# KiCad board px16_regfile.kicad_pcb
title: Pixie 16 register file; date: 2022-09-07; rev: 1
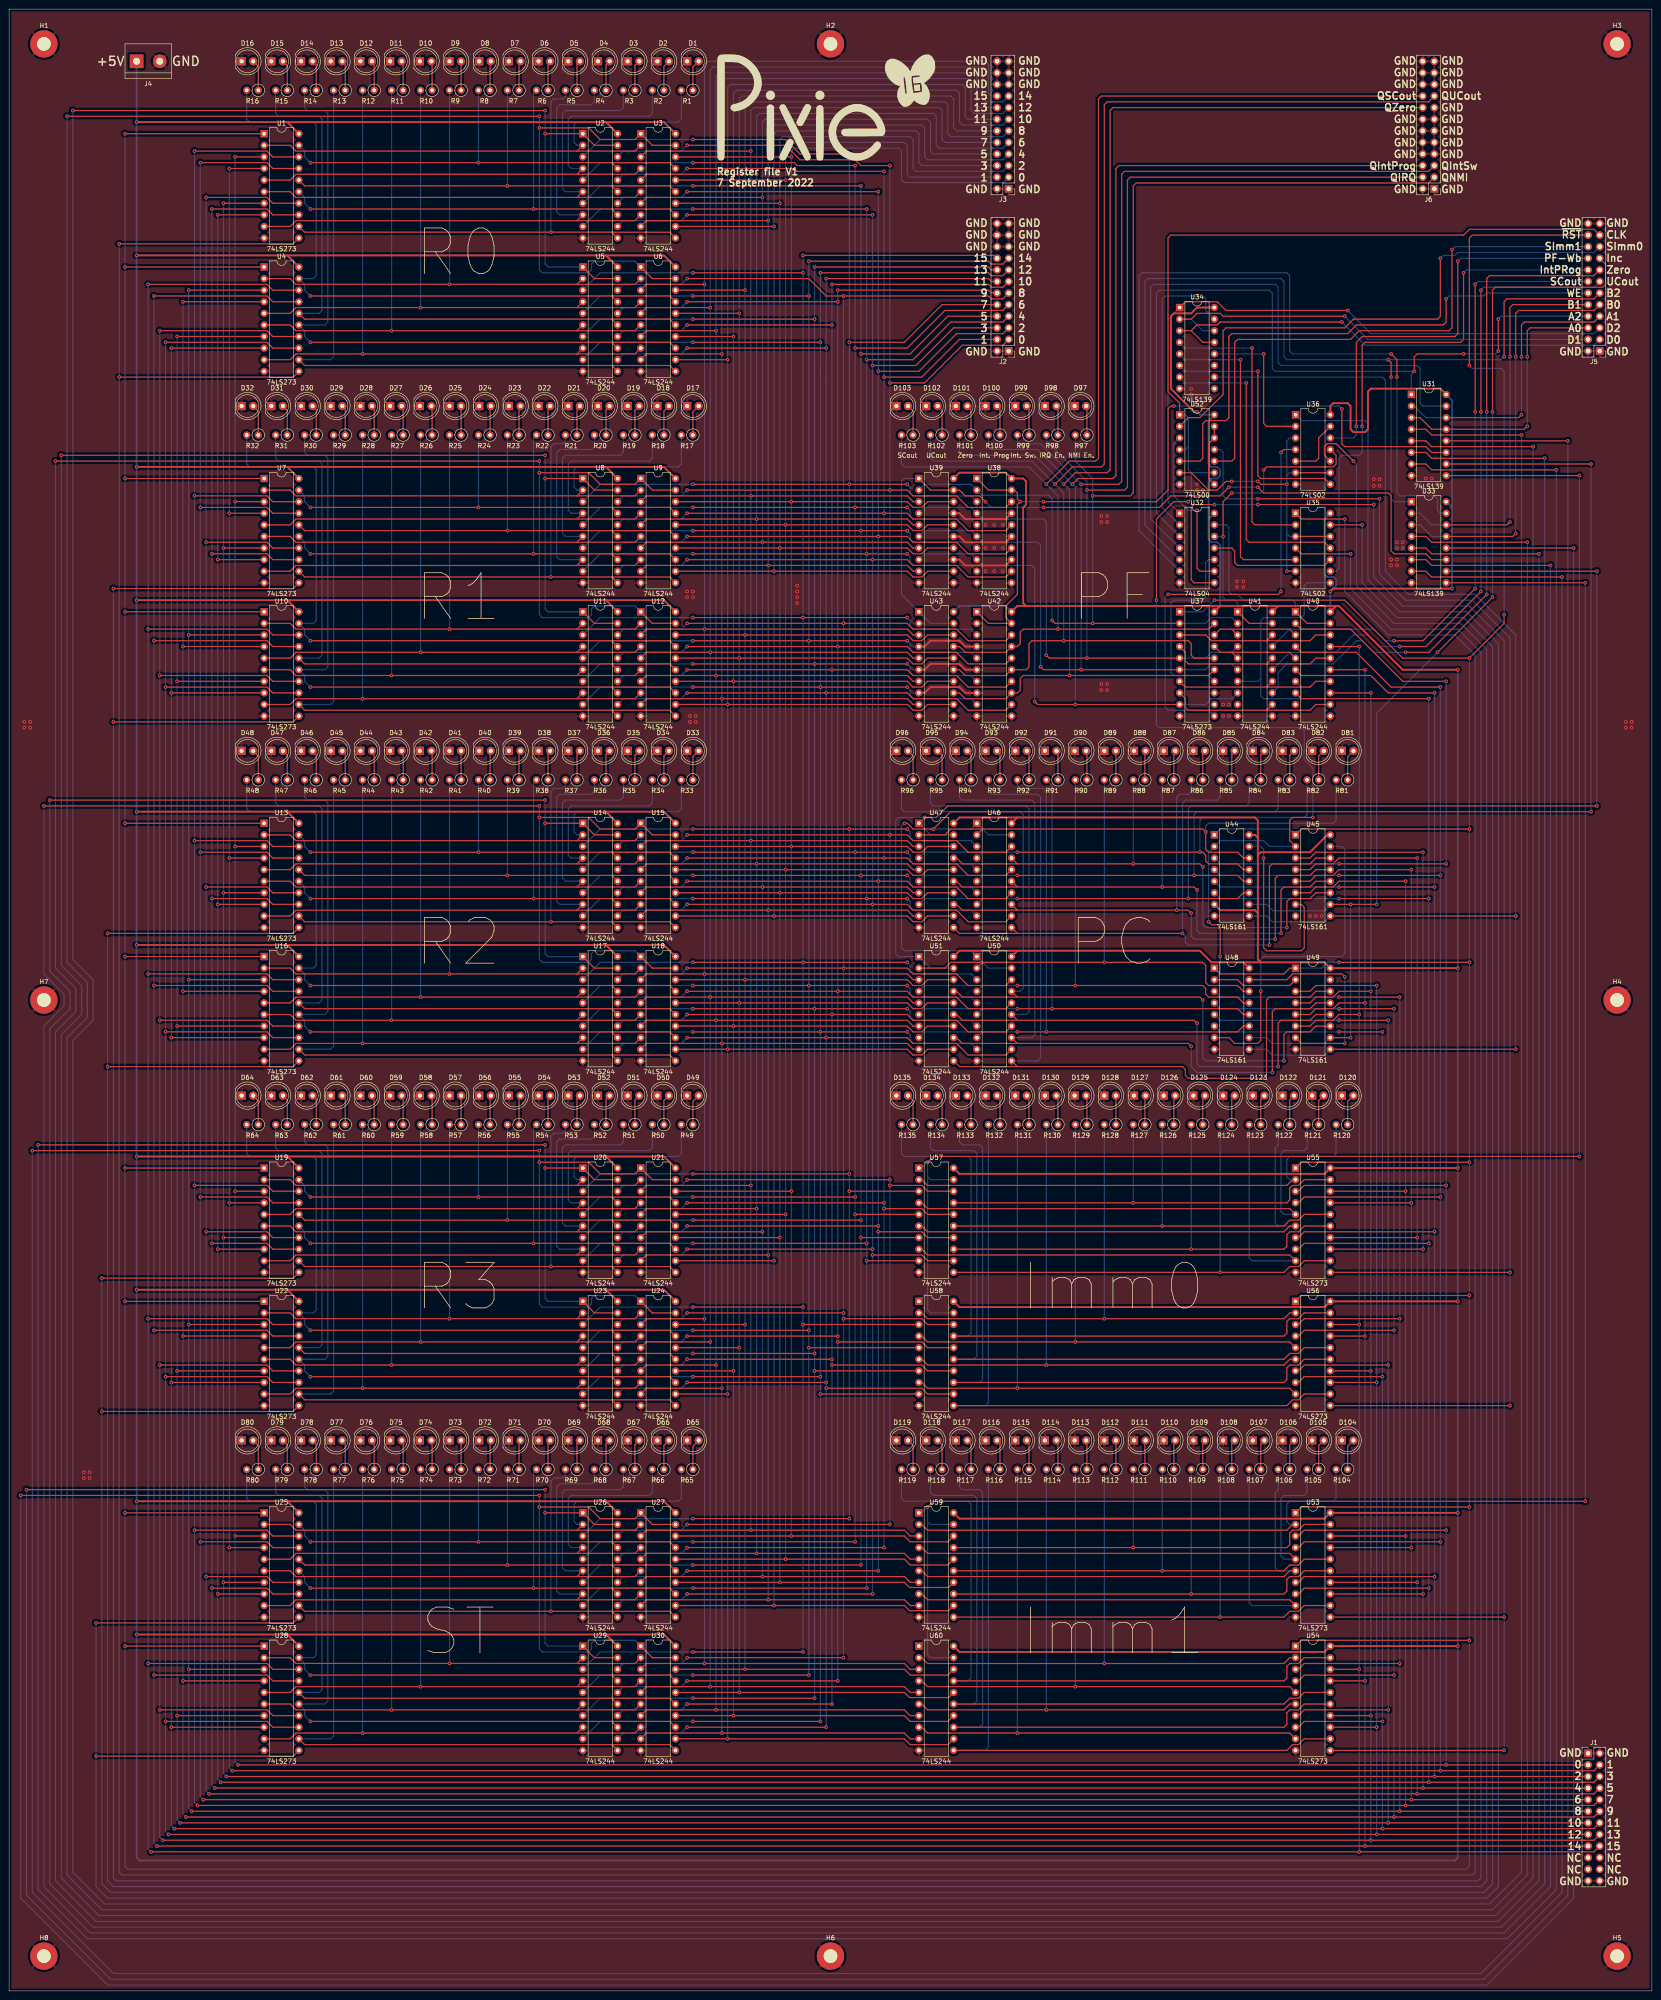
[diagram p0: board, top side]
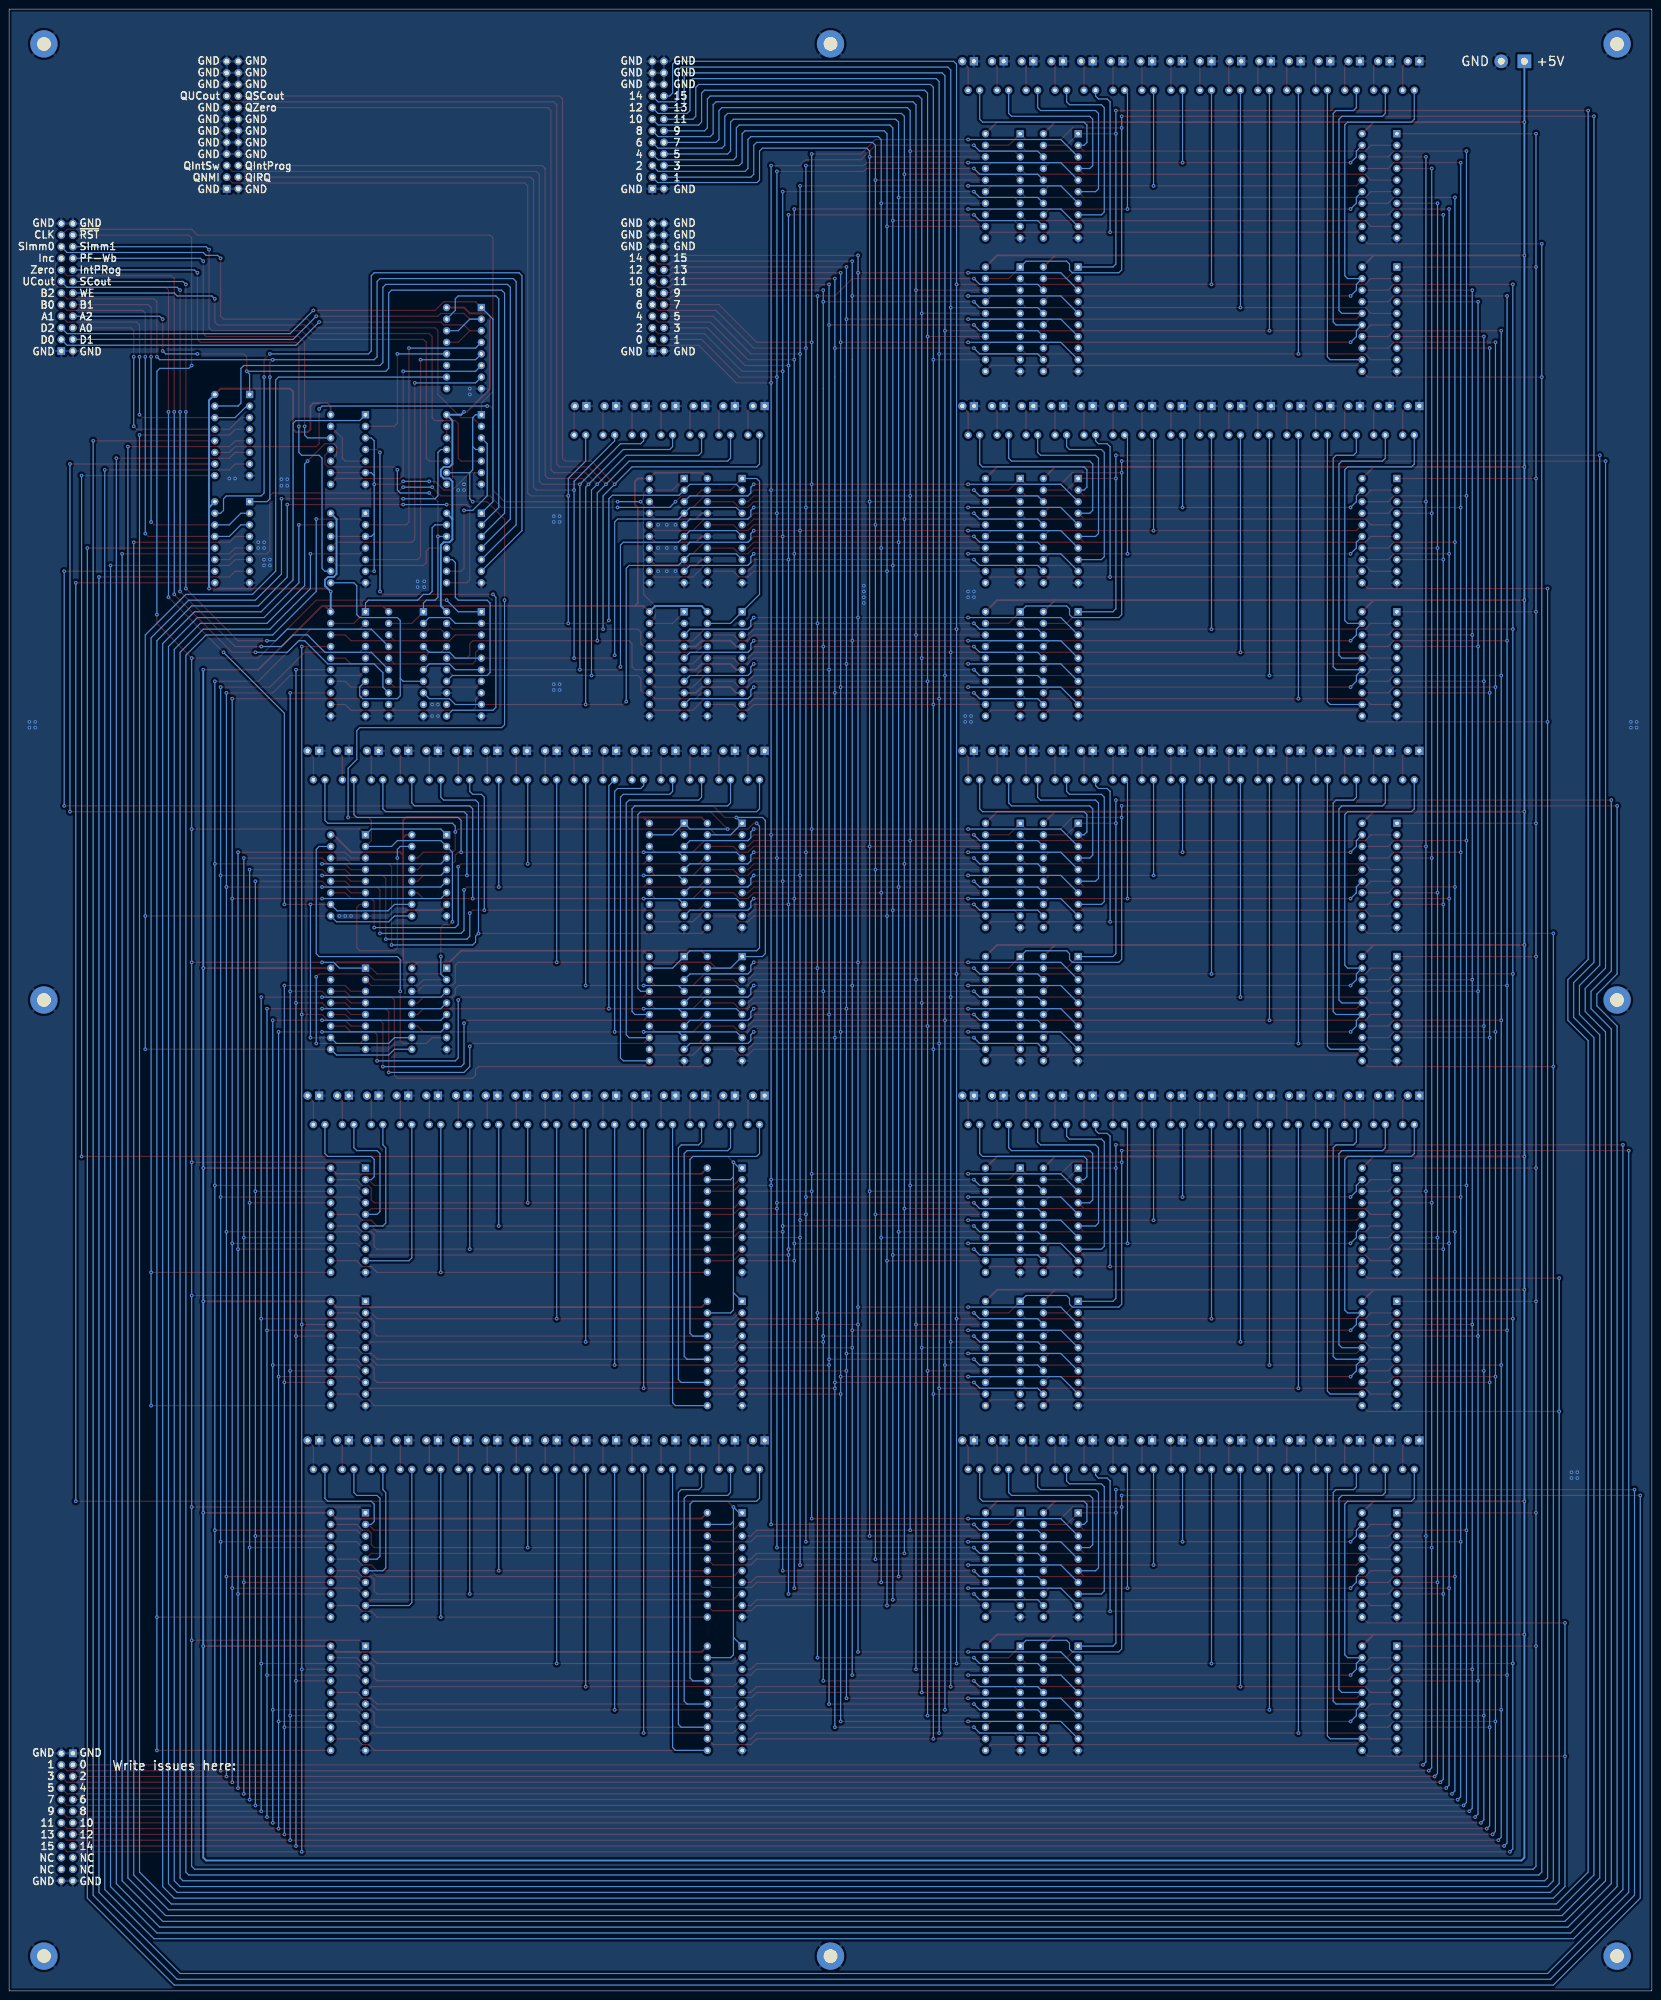
[diagram p1: board, bottom side, seen from below]

Outline 360.04 x 434.34 mm; copper layers: Top, Bottom. Coordinates in mm from the lower left corner of the outline.
Outline path: rectangle 0,434.34 360.04,0
Stack: Top 0.035mm / dielectric 1.51mm FR4 er 4.5 / Bottom 0.035mm

## Placement (name value [footprint] x y rotation side)
D1  LED  [LED_D5.0mm]  148.59 422.91 0 top
D2  LED  [LED_D5.0mm]  142.08 422.91 0 top
D3  LED  [LED_D5.0mm]  135.57 422.91 0 top
D4  LED  [LED_D5.0mm]  129.06 422.91 0 top
D5  LED  [LED_D5.0mm]  122.55 422.91 0 top
D6  LED  [LED_D5.0mm]  116.05 422.91 0 top
D7  LED  [LED_D5.0mm]  109.54 422.91 0 top
D8  LED  [LED_D5.0mm]  103.03 422.91 0 top
D9  LED  [LED_D5.0mm]  96.52 422.91 0 top
D10  LED  [LED_D5.0mm]  90.01 422.91 0 top
D11  LED  [LED_D5.0mm]  83.5 422.91 0 top
D12  LED  [LED_D5.0mm]  76.99 422.91 0 top
D13  LED  [LED_D5.0mm]  70.48 422.91 0 top
D14  LED  [LED_D5.0mm]  63.98 422.91 0 top
D15  LED  [LED_D5.0mm]  57.47 422.91 0 top
D16  LED  [LED_D5.0mm]  50.96 422.91 0 top
D17  LED  [LED_D5.0mm]  148.59 347.34 0 top
D18  LED  [LED_D5.0mm]  142.08 347.34 0 top
D19  LED  [LED_D5.0mm]  135.57 347.34 0 top
D20  LED  [LED_D5.0mm]  129.06 347.34 0 top
D21  LED  [LED_D5.0mm]  122.55 347.34 0 top
D22  LED  [LED_D5.0mm]  116.05 347.34 0 top
D23  LED  [LED_D5.0mm]  109.54 347.34 0 top
D24  LED  [LED_D5.0mm]  103.03 347.34 0 top
D25  LED  [LED_D5.0mm]  96.52 347.34 0 top
D26  LED  [LED_D5.0mm]  90.01 347.34 0 top
D27  LED  [LED_D5.0mm]  83.5 347.34 0 top
D28  LED  [LED_D5.0mm]  76.99 347.34 0 top
D29  LED  [LED_D5.0mm]  70.48 347.34 0 top
D30  LED  [LED_D5.0mm]  63.98 347.34 0 top
D31  LED  [LED_D5.0mm]  57.47 347.34 0 top
D32  LED  [LED_D5.0mm]  50.96 347.34 0 top
D33  LED  [LED_D5.0mm]  148.59 271.78 0 top
D34  LED  [LED_D5.0mm]  142.08 271.78 0 top
D35  LED  [LED_D5.0mm]  135.57 271.78 0 top
D36  LED  [LED_D5.0mm]  129.06 271.78 0 top
D37  LED  [LED_D5.0mm]  122.55 271.78 0 top
D38  LED  [LED_D5.0mm]  116.05 271.78 0 top
D39  LED  [LED_D5.0mm]  109.54 271.78 0 top
D40  LED  [LED_D5.0mm]  103.02 271.78 0 top
D41  LED  [LED_D5.0mm]  96.51 271.78 0 top
D42  LED  [LED_D5.0mm]  90.01 271.78 0 top
D43  LED  [LED_D5.0mm]  83.5 271.78 0 top
D44  LED  [LED_D5.0mm]  76.99 271.78 0 top
D45  LED  [LED_D5.0mm]  70.48 271.78 0 top
D46  LED  [LED_D5.0mm]  63.98 271.78 0 top
D47  LED  [LED_D5.0mm]  57.47 271.78 0 top
D48  LED  [LED_D5.0mm]  50.96 271.78 0 top
D49  LED  [LED_D5.0mm]  148.58 196.21 0 top
D50  LED  [LED_D5.0mm]  142.08 196.21 0 top
D51  LED  [LED_D5.0mm]  135.57 196.21 0 top
D52  LED  [LED_D5.0mm]  129.06 196.21 0 top
D53  LED  [LED_D5.0mm]  122.55 196.21 0 top
D54  LED  [LED_D5.0mm]  116.05 196.21 0 top
D55  LED  [LED_D5.0mm]  109.54 196.21 0 top
D56  LED  [LED_D5.0mm]  103.03 196.21 0 top
D57  LED  [LED_D5.0mm]  96.52 196.21 0 top
D58  LED  [LED_D5.0mm]  90.01 196.21 0 top
D59  LED  [LED_D5.0mm]  83.5 196.21 0 top
D60  LED  [LED_D5.0mm]  76.99 196.21 0 top
D61  LED  [LED_D5.0mm]  70.48 196.21 0 top
D62  LED  [LED_D5.0mm]  63.98 196.21 0 top
D63  LED  [LED_D5.0mm]  57.47 196.21 0 top
D64  LED  [LED_D5.0mm]  50.96 196.21 0 top
D65  LED  [LED_D5.0mm]  148.59 120.65 0 top
D66  LED  [LED_D5.0mm]  142.08 120.65 0 top
D67  LED  [LED_D5.0mm]  135.57 120.65 0 top
D68  LED  [LED_D5.0mm]  129.06 120.65 0 top
D69  LED  [LED_D5.0mm]  122.55 120.65 0 top
D70  LED  [LED_D5.0mm]  116.05 120.65 0 top
D71  LED  [LED_D5.0mm]  109.54 120.65 0 top
D72  LED  [LED_D5.0mm]  103.03 120.65 0 top
D73  LED  [LED_D5.0mm]  96.52 120.65 0 top
D74  LED  [LED_D5.0mm]  90.01 120.65 0 top
D75  LED  [LED_D5.0mm]  83.5 120.65 0 top
D76  LED  [LED_D5.0mm]  76.99 120.65 0 top
D77  LED  [LED_D5.0mm]  70.48 120.65 0 top
D78  LED  [LED_D5.0mm]  63.98 120.65 0 top
D79  LED  [LED_D5.0mm]  57.47 120.65 0 top
D80  LED  [LED_D5.0mm]  50.96 120.65 0 top
D81  LED  [LED_D5.0mm]  292.1 271.78 0 top
D82  LED  [LED_D5.0mm]  285.59 271.78 0 top
D83  LED  [LED_D5.0mm]  279.08 271.78 0 top
D84  LED  [LED_D5.0mm]  272.57 271.78 0 top
D85  LED  [LED_D5.0mm]  266.06 271.78 0 top
D86  LED  [LED_D5.0mm]  259.56 271.78 0 top
D87  LED  [LED_D5.0mm]  253.05 271.78 0 top
D88  LED  [LED_D5.0mm]  246.54 271.78 0 top
D89  LED  [LED_D5.0mm]  240.03 271.78 0 top
D90  LED  [LED_D5.0mm]  233.52 271.78 0 top
D91  LED  [LED_D5.0mm]  227.01 271.78 0 top
D92  LED  [LED_D5.0mm]  220.5 271.78 0 top
D93  LED  [LED_D5.0mm]  214 271.78 0 top
D94  LED  [LED_D5.0mm]  207.49 271.78 0 top
D95  LED  [LED_D5.0mm]  200.98 271.78 0 top
D96  LED  [LED_D5.0mm]  194.47 271.78 0 top
D97  LED  [LED_D5.0mm]  233.52 347.34 0 top
D98  LED  [LED_D5.0mm]  227.01 347.34 0 top
D99  LED  [LED_D5.0mm]  220.5 347.34 0 top
D100  LED  [LED_D5.0mm]  214 347.34 0 top
D101  LED  [LED_D5.0mm]  207.49 347.34 0 top
D102  LED  [LED_D5.0mm]  200.98 347.34 0 top
D103  LED  [LED_D5.0mm]  194.47 347.34 0 top
D104  LED  [LED_D5.0mm]  292.1 120.65 0 top
D105  LED  [LED_D5.0mm]  285.59 120.65 0 top
D106  LED  [LED_D5.0mm]  279.08 120.65 0 top
D107  LED  [LED_D5.0mm]  272.57 120.65 0 top
D108  LED  [LED_D5.0mm]  266.06 120.65 0 top
D109  LED  [LED_D5.0mm]  259.56 120.65 0 top
D110  LED  [LED_D5.0mm]  253.05 120.65 0 top
D111  LED  [LED_D5.0mm]  246.54 120.65 0 top
D112  LED  [LED_D5.0mm]  240.03 120.65 0 top
D113  LED  [LED_D5.0mm]  233.52 120.65 0 top
D114  LED  [LED_D5.0mm]  227.01 120.65 0 top
D115  LED  [LED_D5.0mm]  220.5 120.65 0 top
D116  LED  [LED_D5.0mm]  214 120.65 0 top
D117  LED  [LED_D5.0mm]  207.49 120.65 0 top
D118  LED  [LED_D5.0mm]  200.98 120.65 0 top
D119  LED  [LED_D5.0mm]  194.47 120.65 0 top
D120  LED  [LED_D5.0mm]  292.1 196.21 0 top
D121  LED  [LED_D5.0mm]  285.59 196.21 0 top
D122  LED  [LED_D5.0mm]  279.08 196.21 0 top
D123  LED  [LED_D5.0mm]  272.57 196.21 0 top
D124  LED  [LED_D5.0mm]  266.06 196.21 0 top
D125  LED  [LED_D5.0mm]  259.56 196.21 0 top
D126  LED  [LED_D5.0mm]  253.05 196.21 0 top
D127  LED  [LED_D5.0mm]  246.54 196.21 0 top
D128  LED  [LED_D5.0mm]  240.03 196.21 0 top
D129  LED  [LED_D5.0mm]  233.52 196.21 0 top
D130  LED  [LED_D5.0mm]  227.01 196.21 0 top
D131  LED  [LED_D5.0mm]  220.5 196.21 0 top
D132  LED  [LED_D5.0mm]  214 196.21 0 top
D133  LED  [LED_D5.0mm]  207.49 196.21 0 top
D134  LED  [LED_D5.0mm]  200.98 196.21 0 top
D135  LED  [LED_D5.0mm]  194.47 196.21 0 top
G1  -  [LOGO]  180.4 412.74 0 top
H1  MountingHole_Pad  [MountingHole_3mm_Pad]  7.62 426.72 0 top
H2  MountingHole_Pad  [MountingHole_3mm_Pad]  180.02 426.72 0 top
H3  MountingHole_Pad  [MountingHole_3mm_Pad]  352.43 426.72 0 top
H4  MountingHole_Pad  [MountingHole_3mm_Pad]  352.43 217.17 0 top
H5  MountingHole_Pad  [MountingHole_3mm_Pad]  352.43 7.62 0 top
H6  MountingHole_Pad  [MountingHole_3mm_Pad]  180.02 7.62 0 top
H7  MountingHole_Pad  [MountingHole_3mm_Pad]  7.62 217.17 0 top
H8  MountingHole_Pad  [MountingHole_3mm_Pad]  7.62 7.62 0 top
J1  Conn_02x12_Odd_Even  [PinHeader_2x12_P2.54mm_Vertical]  346.07 52.07 0 top
J2  Conn_02x12_Odd_Even  [PinHeader_2x12_P2.54mm_Vertical]  219.07 359.41 180 top
J3  Conn_02x12_Odd_Even  [PinHeader_2x12_P2.54mm_Vertical]  219.07 394.97 180 top
J4  Screw_Terminal_01x02  [TerminalBlock_bornier-2_P5.08mm]  27.94 422.91 0 top
J5  Conn_02x12_Odd_Even  [PinHeader_2x12_P2.54mm_Vertical]  348.62 359.41 180 top
J6  Conn_02x12_Odd_Even  [PinHeader_2x12_P2.54mm_Vertical]  312.36 394.97 180 top
R1  R  [R_Axial_DIN0207_L6.3mm_D2.5mm_P2.54mm_Vertical]  149.86 416.56 180 top
R2  R  [R_Axial_DIN0207_L6.3mm_D2.5mm_P2.54mm_Vertical]  143.51 416.56 180 top
R3  R  [R_Axial_DIN0207_L6.3mm_D2.5mm_P2.54mm_Vertical]  137.16 416.56 180 top
R4  R  [R_Axial_DIN0207_L6.3mm_D2.5mm_P2.54mm_Vertical]  130.81 416.56 180 top
R5  R  [R_Axial_DIN0207_L6.3mm_D2.5mm_P2.54mm_Vertical]  124.46 416.56 180 top
R6  R  [R_Axial_DIN0207_L6.3mm_D2.5mm_P2.54mm_Vertical]  118.11 416.56 180 top
R7  R  [R_Axial_DIN0207_L6.3mm_D2.5mm_P2.54mm_Vertical]  111.76 416.56 180 top
R8  R  [R_Axial_DIN0207_L6.3mm_D2.5mm_P2.54mm_Vertical]  105.41 416.56 180 top
R9  R  [R_Axial_DIN0207_L6.3mm_D2.5mm_P2.54mm_Vertical]  99.06 416.56 180 top
R10  R  [R_Axial_DIN0207_L6.3mm_D2.5mm_P2.54mm_Vertical]  92.71 416.56 180 top
R11  R  [R_Axial_DIN0207_L6.3mm_D2.5mm_P2.54mm_Vertical]  86.36 416.56 180 top
R12  R  [R_Axial_DIN0207_L6.3mm_D2.5mm_P2.54mm_Vertical]  80.01 416.56 180 top
R13  R  [R_Axial_DIN0207_L6.3mm_D2.5mm_P2.54mm_Vertical]  73.66 416.56 180 top
R14  R  [R_Axial_DIN0207_L6.3mm_D2.5mm_P2.54mm_Vertical]  67.31 416.56 180 top
R15  R  [R_Axial_DIN0207_L6.3mm_D2.5mm_P2.54mm_Vertical]  60.96 416.56 180 top
R16  R  [R_Axial_DIN0207_L6.3mm_D2.5mm_P2.54mm_Vertical]  54.61 416.56 180 top
R17  R  [R_Axial_DIN0207_L6.3mm_D2.5mm_P2.54mm_Vertical]  149.86 341 180 top
R18  R  [R_Axial_DIN0207_L6.3mm_D2.5mm_P2.54mm_Vertical]  143.51 341 180 top
R19  R  [R_Axial_DIN0207_L6.3mm_D2.5mm_P2.54mm_Vertical]  137.16 341 180 top
R20  R  [R_Axial_DIN0207_L6.3mm_D2.5mm_P2.54mm_Vertical]  130.81 341 180 top
R21  R  [R_Axial_DIN0207_L6.3mm_D2.5mm_P2.54mm_Vertical]  124.46 341 180 top
R22  R  [R_Axial_DIN0207_L6.3mm_D2.5mm_P2.54mm_Vertical]  118.11 341 180 top
R23  R  [R_Axial_DIN0207_L6.3mm_D2.5mm_P2.54mm_Vertical]  111.76 341 180 top
R24  R  [R_Axial_DIN0207_L6.3mm_D2.5mm_P2.54mm_Vertical]  105.41 341 180 top
R25  R  [R_Axial_DIN0207_L6.3mm_D2.5mm_P2.54mm_Vertical]  99.06 341 180 top
R26  R  [R_Axial_DIN0207_L6.3mm_D2.5mm_P2.54mm_Vertical]  92.71 341 180 top
R27  R  [R_Axial_DIN0207_L6.3mm_D2.5mm_P2.54mm_Vertical]  86.36 341 180 top
R28  R  [R_Axial_DIN0207_L6.3mm_D2.5mm_P2.54mm_Vertical]  80.01 341 180 top
R29  R  [R_Axial_DIN0207_L6.3mm_D2.5mm_P2.54mm_Vertical]  73.66 341 180 top
R30  R  [R_Axial_DIN0207_L6.3mm_D2.5mm_P2.54mm_Vertical]  67.31 341 180 top
R31  R  [R_Axial_DIN0207_L6.3mm_D2.5mm_P2.54mm_Vertical]  60.96 341 180 top
R32  R  [R_Axial_DIN0207_L6.3mm_D2.5mm_P2.54mm_Vertical]  54.61 341 180 top
R33  R  [R_Axial_DIN0207_L6.3mm_D2.5mm_P2.54mm_Vertical]  149.86 265.43 180 top
R34  R  [R_Axial_DIN0207_L6.3mm_D2.5mm_P2.54mm_Vertical]  143.5 265.43 180 top
R35  R  [R_Axial_DIN0207_L6.3mm_D2.5mm_P2.54mm_Vertical]  137.15 265.43 180 top
R36  R  [R_Axial_DIN0207_L6.3mm_D2.5mm_P2.54mm_Vertical]  130.81 265.43 180 top
R37  R  [R_Axial_DIN0207_L6.3mm_D2.5mm_P2.54mm_Vertical]  124.45 265.43 180 top
R38  R  [R_Axial_DIN0207_L6.3mm_D2.5mm_P2.54mm_Vertical]  118.11 265.43 180 top
R39  R  [R_Axial_DIN0207_L6.3mm_D2.5mm_P2.54mm_Vertical]  111.76 265.43 180 top
R40  R  [R_Axial_DIN0207_L6.3mm_D2.5mm_P2.54mm_Vertical]  105.4 265.43 180 top
R41  R  [R_Axial_DIN0207_L6.3mm_D2.5mm_P2.54mm_Vertical]  99.05 265.43 180 top
R42  R  [R_Axial_DIN0207_L6.3mm_D2.5mm_P2.54mm_Vertical]  92.7 265.43 180 top
R43  R  [R_Axial_DIN0207_L6.3mm_D2.5mm_P2.54mm_Vertical]  86.36 265.43 180 top
R44  R  [R_Axial_DIN0207_L6.3mm_D2.5mm_P2.54mm_Vertical]  80 265.43 180 top
R45  R  [R_Axial_DIN0207_L6.3mm_D2.5mm_P2.54mm_Vertical]  73.66 265.43 180 top
R46  R  [R_Axial_DIN0207_L6.3mm_D2.5mm_P2.54mm_Vertical]  67.3 265.43 180 top
R47  R  [R_Axial_DIN0207_L6.3mm_D2.5mm_P2.54mm_Vertical]  60.95 265.43 180 top
R48  R  [R_Axial_DIN0207_L6.3mm_D2.5mm_P2.54mm_Vertical]  54.61 265.43 180 top
R49  R  [R_Axial_DIN0207_L6.3mm_D2.5mm_P2.54mm_Vertical]  149.86 189.86 180 top
R50  R  [R_Axial_DIN0207_L6.3mm_D2.5mm_P2.54mm_Vertical]  143.51 189.86 180 top
R51  R  [R_Axial_DIN0207_L6.3mm_D2.5mm_P2.54mm_Vertical]  137.15 189.86 180 top
R52  R  [R_Axial_DIN0207_L6.3mm_D2.5mm_P2.54mm_Vertical]  130.81 189.86 180 top
R53  R  [R_Axial_DIN0207_L6.3mm_D2.5mm_P2.54mm_Vertical]  124.46 189.86 180 top
R54  R  [R_Axial_DIN0207_L6.3mm_D2.5mm_P2.54mm_Vertical]  118.11 189.86 180 top
R55  R  [R_Axial_DIN0207_L6.3mm_D2.5mm_P2.54mm_Vertical]  111.76 189.86 180 top
R56  R  [R_Axial_DIN0207_L6.3mm_D2.5mm_P2.54mm_Vertical]  105.41 189.86 180 top
R57  R  [R_Axial_DIN0207_L6.3mm_D2.5mm_P2.54mm_Vertical]  99.06 189.86 180 top
R58  R  [R_Axial_DIN0207_L6.3mm_D2.5mm_P2.54mm_Vertical]  92.71 189.86 180 top
R59  R  [R_Axial_DIN0207_L6.3mm_D2.5mm_P2.54mm_Vertical]  86.36 189.86 180 top
R60  R  [R_Axial_DIN0207_L6.3mm_D2.5mm_P2.54mm_Vertical]  80.01 189.86 180 top
R61  R  [R_Axial_DIN0207_L6.3mm_D2.5mm_P2.54mm_Vertical]  73.66 189.86 180 top
R62  R  [R_Axial_DIN0207_L6.3mm_D2.5mm_P2.54mm_Vertical]  67.31 189.86 180 top
R63  R  [R_Axial_DIN0207_L6.3mm_D2.5mm_P2.54mm_Vertical]  60.96 189.86 180 top
R64  R  [R_Axial_DIN0207_L6.3mm_D2.5mm_P2.54mm_Vertical]  54.61 189.86 180 top
R65  R  [R_Axial_DIN0207_L6.3mm_D2.5mm_P2.54mm_Vertical]  149.86 114.3 180 top
R66  R  [R_Axial_DIN0207_L6.3mm_D2.5mm_P2.54mm_Vertical]  143.51 114.3 180 top
R67  R  [R_Axial_DIN0207_L6.3mm_D2.5mm_P2.54mm_Vertical]  137.16 114.3 180 top
R68  R  [R_Axial_DIN0207_L6.3mm_D2.5mm_P2.54mm_Vertical]  130.81 114.3 180 top
R69  R  [R_Axial_DIN0207_L6.3mm_D2.5mm_P2.54mm_Vertical]  124.46 114.3 180 top
R70  R  [R_Axial_DIN0207_L6.3mm_D2.5mm_P2.54mm_Vertical]  118.11 114.3 180 top
R71  R  [R_Axial_DIN0207_L6.3mm_D2.5mm_P2.54mm_Vertical]  111.76 114.3 180 top
R72  R  [R_Axial_DIN0207_L6.3mm_D2.5mm_P2.54mm_Vertical]  105.41 114.3 180 top
R73  R  [R_Axial_DIN0207_L6.3mm_D2.5mm_P2.54mm_Vertical]  99.06 114.3 180 top
R74  R  [R_Axial_DIN0207_L6.3mm_D2.5mm_P2.54mm_Vertical]  92.71 114.3 180 top
R75  R  [R_Axial_DIN0207_L6.3mm_D2.5mm_P2.54mm_Vertical]  86.36 114.3 180 top
R76  R  [R_Axial_DIN0207_L6.3mm_D2.5mm_P2.54mm_Vertical]  80.01 114.3 180 top
R77  R  [R_Axial_DIN0207_L6.3mm_D2.5mm_P2.54mm_Vertical]  73.66 114.3 180 top
R78  R  [R_Axial_DIN0207_L6.3mm_D2.5mm_P2.54mm_Vertical]  67.31 114.3 180 top
R79  R  [R_Axial_DIN0207_L6.3mm_D2.5mm_P2.54mm_Vertical]  60.96 114.3 180 top
R80  R  [R_Axial_DIN0207_L6.3mm_D2.5mm_P2.54mm_Vertical]  54.61 114.3 180 top
R81  R  [R_Axial_DIN0207_L6.3mm_D2.5mm_P2.54mm_Vertical]  293.37 265.43 180 top
R82  R  [R_Axial_DIN0207_L6.3mm_D2.5mm_P2.54mm_Vertical]  287.02 265.43 180 top
R83  R  [R_Axial_DIN0207_L6.3mm_D2.5mm_P2.54mm_Vertical]  280.67 265.43 180 top
R84  R  [R_Axial_DIN0207_L6.3mm_D2.5mm_P2.54mm_Vertical]  274.32 265.43 180 top
R85  R  [R_Axial_DIN0207_L6.3mm_D2.5mm_P2.54mm_Vertical]  267.97 265.43 180 top
R86  R  [R_Axial_DIN0207_L6.3mm_D2.5mm_P2.54mm_Vertical]  261.62 265.43 180 top
R87  R  [R_Axial_DIN0207_L6.3mm_D2.5mm_P2.54mm_Vertical]  255.27 265.43 180 top
R88  R  [R_Axial_DIN0207_L6.3mm_D2.5mm_P2.54mm_Vertical]  248.92 265.43 180 top
R89  R  [R_Axial_DIN0207_L6.3mm_D2.5mm_P2.54mm_Vertical]  242.57 265.43 180 top
R90  R  [R_Axial_DIN0207_L6.3mm_D2.5mm_P2.54mm_Vertical]  236.22 265.43 180 top
R91  R  [R_Axial_DIN0207_L6.3mm_D2.5mm_P2.54mm_Vertical]  229.87 265.43 180 top
R92  R  [R_Axial_DIN0207_L6.3mm_D2.5mm_P2.54mm_Vertical]  223.52 265.43 180 top
R93  R  [R_Axial_DIN0207_L6.3mm_D2.5mm_P2.54mm_Vertical]  217.17 265.43 180 top
R94  R  [R_Axial_DIN0207_L6.3mm_D2.5mm_P2.54mm_Vertical]  210.82 265.43 180 top
R95  R  [R_Axial_DIN0207_L6.3mm_D2.5mm_P2.54mm_Vertical]  204.47 265.43 180 top
R96  R  [R_Axial_DIN0207_L6.3mm_D2.5mm_P2.54mm_Vertical]  198.12 265.43 180 top
R97  R  [R_Axial_DIN0207_L6.3mm_D2.5mm_P2.54mm_Vertical]  236.22 341 180 top
R98  R  [R_Axial_DIN0207_L6.3mm_D2.5mm_P2.54mm_Vertical]  229.87 341 180 top
R99  R  [R_Axial_DIN0207_L6.3mm_D2.5mm_P2.54mm_Vertical]  223.52 341 180 top
R100  R  [R_Axial_DIN0207_L6.3mm_D2.5mm_P2.54mm_Vertical]  217.17 341 180 top
R101  R  [R_Axial_DIN0207_L6.3mm_D2.5mm_P2.54mm_Vertical]  210.82 341 180 top
R102  R  [R_Axial_DIN0207_L6.3mm_D2.5mm_P2.54mm_Vertical]  204.47 341 180 top
R103  R  [R_Axial_DIN0207_L6.3mm_D2.5mm_P2.54mm_Vertical]  198.12 341 180 top
R104  R  [R_Axial_DIN0207_L6.3mm_D2.5mm_P2.54mm_Vertical]  293.37 114.3 180 top
R105  R  [R_Axial_DIN0207_L6.3mm_D2.5mm_P2.54mm_Vertical]  287.02 114.3 180 top
R106  R  [R_Axial_DIN0207_L6.3mm_D2.5mm_P2.54mm_Vertical]  280.67 114.3 180 top
R107  R  [R_Axial_DIN0207_L6.3mm_D2.5mm_P2.54mm_Vertical]  274.32 114.3 180 top
R108  R  [R_Axial_DIN0207_L6.3mm_D2.5mm_P2.54mm_Vertical]  267.97 114.3 180 top
R109  R  [R_Axial_DIN0207_L6.3mm_D2.5mm_P2.54mm_Vertical]  261.62 114.3 180 top
R110  R  [R_Axial_DIN0207_L6.3mm_D2.5mm_P2.54mm_Vertical]  255.27 114.3 180 top
R111  R  [R_Axial_DIN0207_L6.3mm_D2.5mm_P2.54mm_Vertical]  248.92 114.3 180 top
R112  R  [R_Axial_DIN0207_L6.3mm_D2.5mm_P2.54mm_Vertical]  242.57 114.3 180 top
R113  R  [R_Axial_DIN0207_L6.3mm_D2.5mm_P2.54mm_Vertical]  236.22 114.3 180 top
R114  R  [R_Axial_DIN0207_L6.3mm_D2.5mm_P2.54mm_Vertical]  229.87 114.3 180 top
R115  R  [R_Axial_DIN0207_L6.3mm_D2.5mm_P2.54mm_Vertical]  223.52 114.3 180 top
R116  R  [R_Axial_DIN0207_L6.3mm_D2.5mm_P2.54mm_Vertical]  217.17 114.3 180 top
R117  R  [R_Axial_DIN0207_L6.3mm_D2.5mm_P2.54mm_Vertical]  210.82 114.3 180 top
R118  R  [R_Axial_DIN0207_L6.3mm_D2.5mm_P2.54mm_Vertical]  204.47 114.3 180 top
R119  R  [R_Axial_DIN0207_L6.3mm_D2.5mm_P2.54mm_Vertical]  198.12 114.3 180 top
R120  R  [R_Axial_DIN0207_L6.3mm_D2.5mm_P2.54mm_Vertical]  293.37 189.86 180 top
R121  R  [R_Axial_DIN0207_L6.3mm_D2.5mm_P2.54mm_Vertical]  287.02 189.86 180 top
R122  R  [R_Axial_DIN0207_L6.3mm_D2.5mm_P2.54mm_Vertical]  280.67 189.86 180 top
R123  R  [R_Axial_DIN0207_L6.3mm_D2.5mm_P2.54mm_Vertical]  274.32 189.86 180 top
R124  R  [R_Axial_DIN0207_L6.3mm_D2.5mm_P2.54mm_Vertical]  267.97 189.86 180 top
R125  R  [R_Axial_DIN0207_L6.3mm_D2.5mm_P2.54mm_Vertical]  261.62 189.86 180 top
R126  R  [R_Axial_DIN0207_L6.3mm_D2.5mm_P2.54mm_Vertical]  255.27 189.86 180 top
R127  R  [R_Axial_DIN0207_L6.3mm_D2.5mm_P2.54mm_Vertical]  248.92 189.86 180 top
R128  R  [R_Axial_DIN0207_L6.3mm_D2.5mm_P2.54mm_Vertical]  242.57 189.86 180 top
R129  R  [R_Axial_DIN0207_L6.3mm_D2.5mm_P2.54mm_Vertical]  236.22 189.86 180 top
R130  R  [R_Axial_DIN0207_L6.3mm_D2.5mm_P2.54mm_Vertical]  229.87 189.86 180 top
R131  R  [R_Axial_DIN0207_L6.3mm_D2.5mm_P2.54mm_Vertical]  223.52 189.86 180 top
R132  R  [R_Axial_DIN0207_L6.3mm_D2.5mm_P2.54mm_Vertical]  217.17 189.86 180 top
R133  R  [R_Axial_DIN0207_L6.3mm_D2.5mm_P2.54mm_Vertical]  210.82 189.86 180 top
R134  R  [R_Axial_DIN0207_L6.3mm_D2.5mm_P2.54mm_Vertical]  204.47 189.86 180 top
R135  R  [R_Axial_DIN0207_L6.3mm_D2.5mm_P2.54mm_Vertical]  198.12 189.86 180 top
U1  74LS273  [DIP-20_W7.62mm]  55.89 407.03 0 top
U2  74LS244  [DIP-20_W7.62mm]  125.74 407.03 0 top
U3  74LS244  [DIP-20_W7.62mm]  138.44 407.03 0 top
U4  74LS273  [DIP-20_W7.62mm]  55.89 377.82 0 top
U5  74LS244  [DIP-20_W7.62mm]  125.74 377.82 0 top
U6  74LS244  [DIP-20_W7.62mm]  138.44 377.82 0 top
U7  74LS273  [DIP-20_W7.62mm]  55.89 331.46 0 top
U8  74LS244  [DIP-20_W7.62mm]  125.74 331.46 0 top
U9  74LS244  [DIP-20_W7.62mm]  138.44 331.46 0 top
U10  74LS273  [DIP-20_W7.62mm]  55.89 302.25 0 top
U11  74LS244  [DIP-20_W7.62mm]  125.74 302.25 0 top
U12  74LS244  [DIP-20_W7.62mm]  138.44 302.25 0 top
U13  74LS273  [DIP-20_W7.62mm]  55.88 255.9 0 top
U14  74LS244  [DIP-20_W7.62mm]  125.73 255.9 0 top
U15  74LS244  [DIP-20_W7.62mm]  138.43 255.9 0 top
U16  74LS273  [DIP-20_W7.62mm]  55.88 226.69 0 top
U17  74LS244  [DIP-20_W7.62mm]  125.73 226.69 0 top
U18  74LS244  [DIP-20_W7.62mm]  138.43 226.69 0 top
U19  74LS273  [DIP-20_W7.62mm]  55.89 180.33 0 top
U20  74LS244  [DIP-20_W7.62mm]  125.74 180.33 0 top
U21  74LS244  [DIP-20_W7.62mm]  138.44 180.33 0 top
U22  74LS273  [DIP-20_W7.62mm]  55.89 151.12 0 top
U23  74LS244  [DIP-20_W7.62mm]  125.74 151.12 0 top
U24  74LS244  [DIP-20_W7.62mm]  138.44 151.12 0 top